# Altium PCB CT310高端控制盒基板电路V1.0.PcbDoc (part 1 of 8)
Units mil, origin at the board's own origin, x right, y up, seen from the top; angles counter-clockwise.
Board outline 8162.61 x 6196.81 mil, 2 copper layers (Top Layer, Bottom Layer), stack 65.792 mil thick; 265 components, 178 nets, 926 pads, 298 vias.
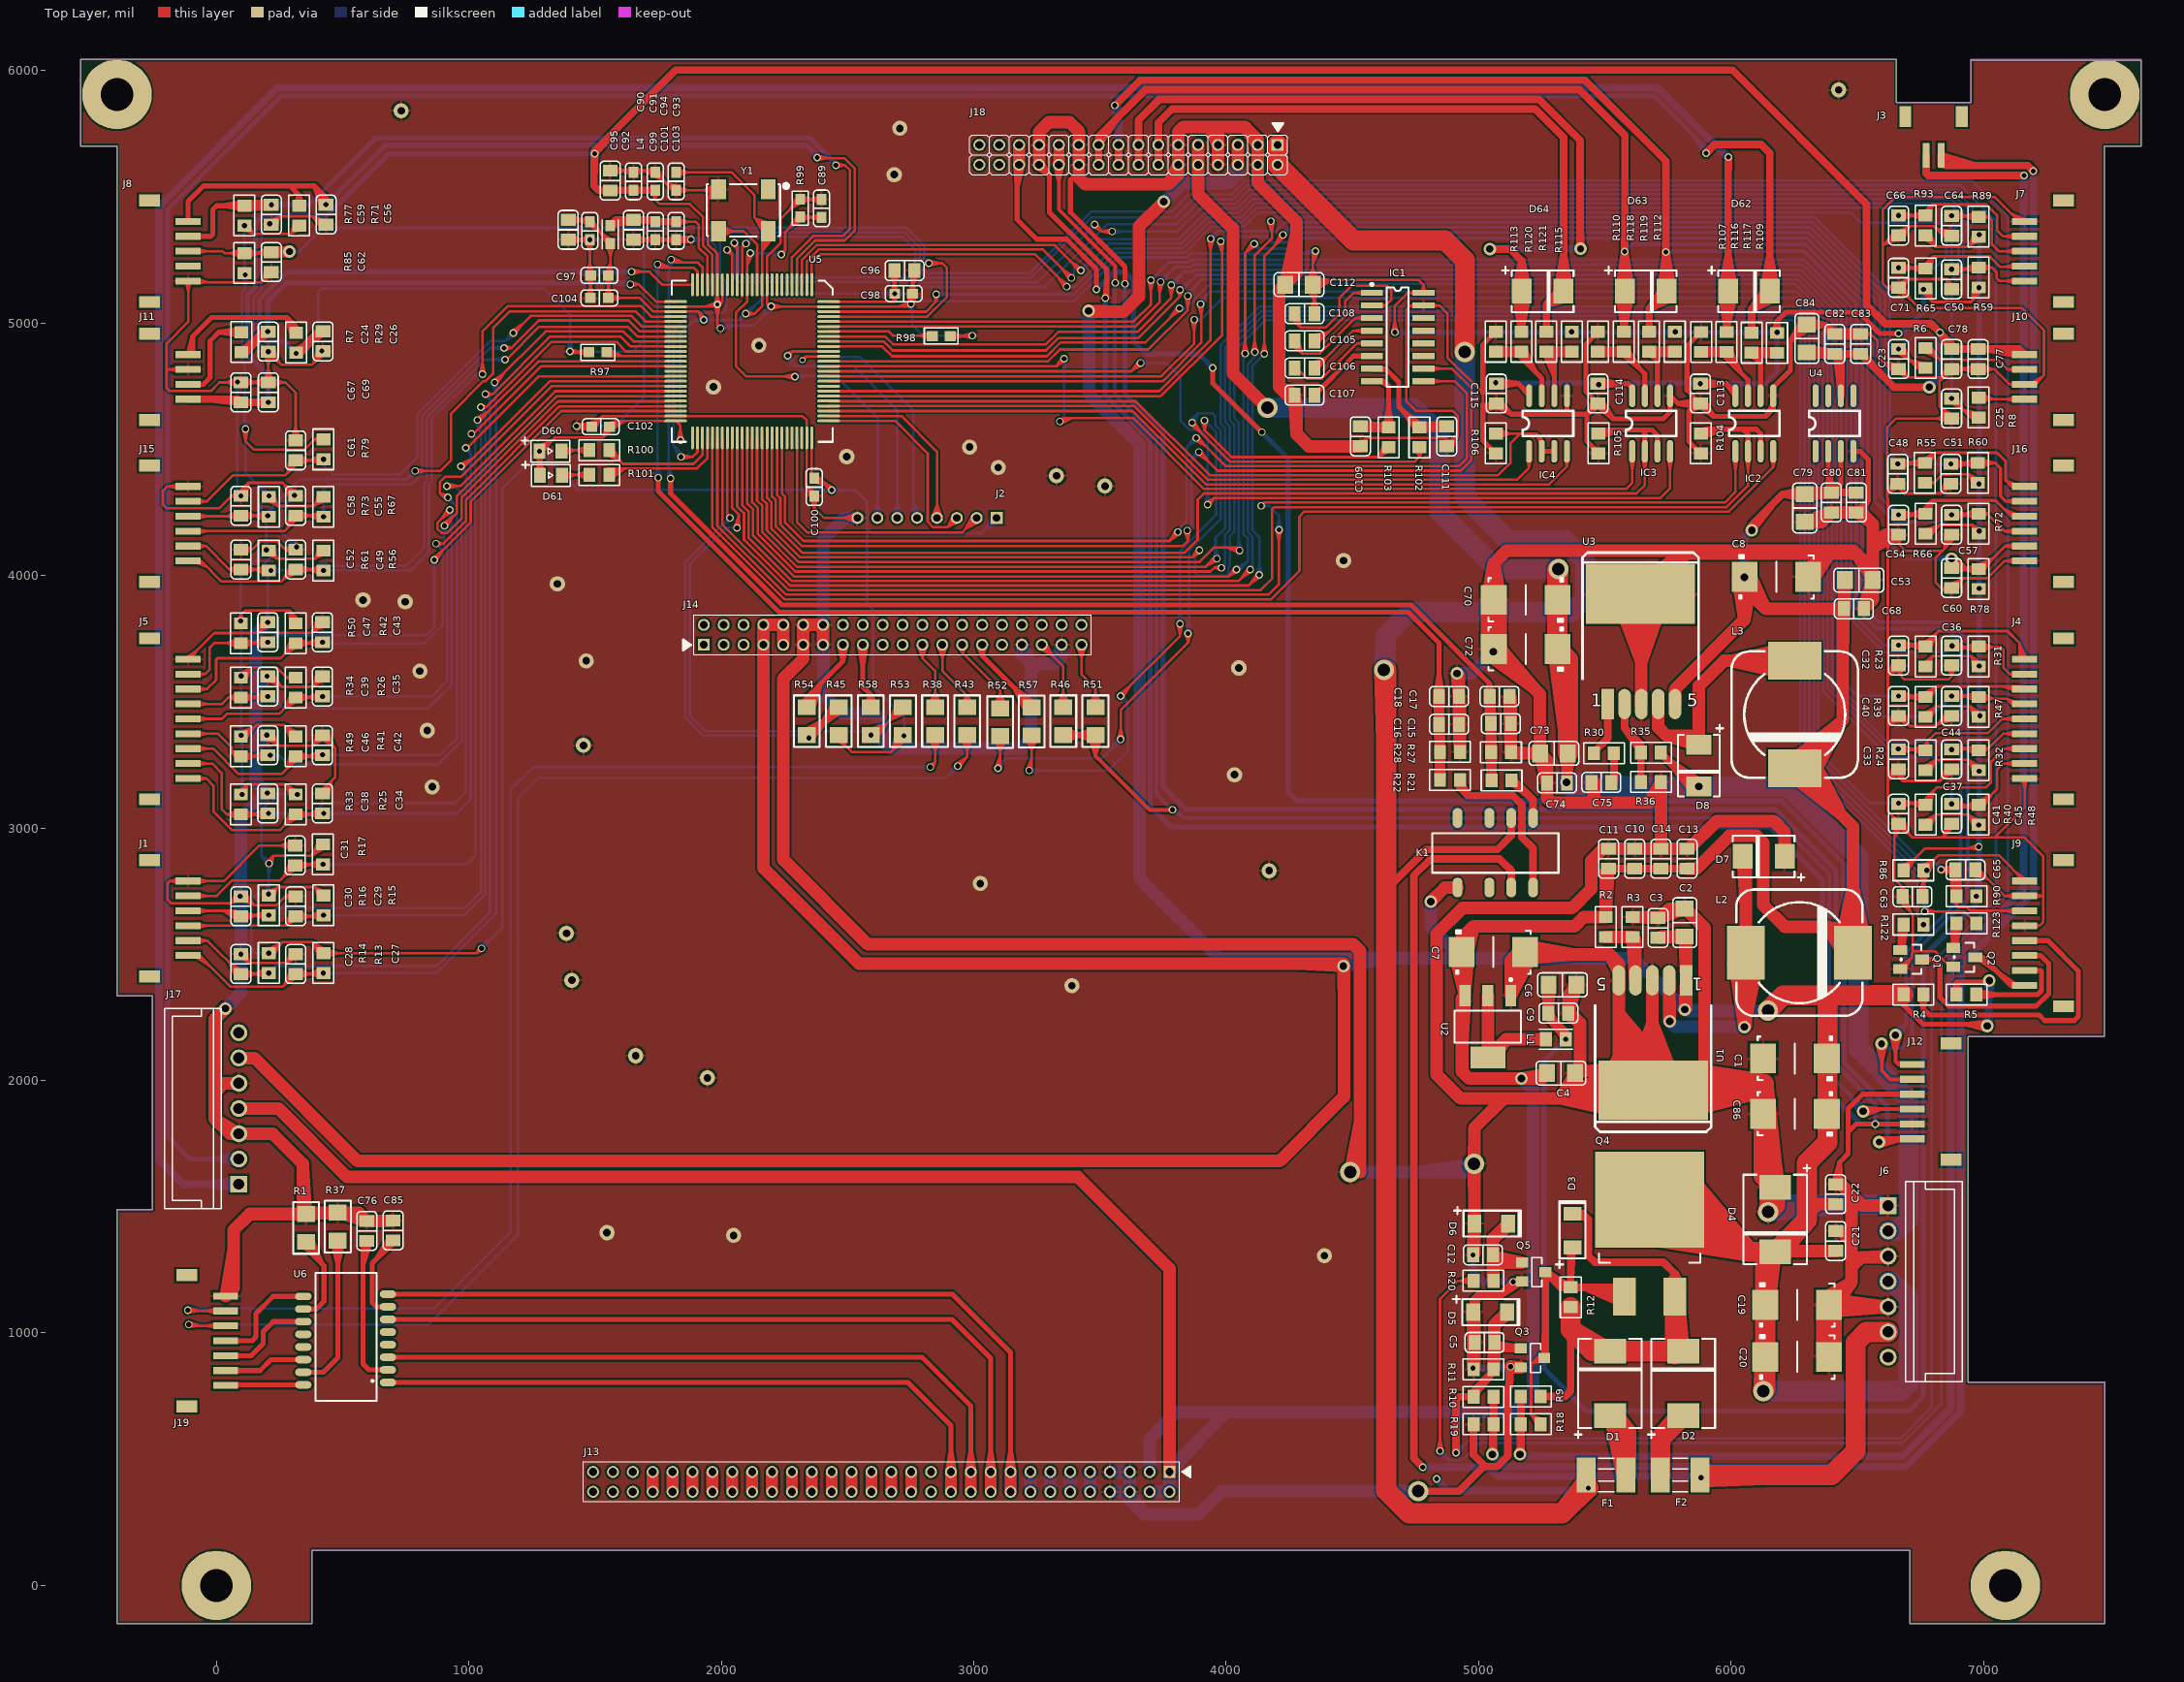
[diagram p0: Top Layer view]
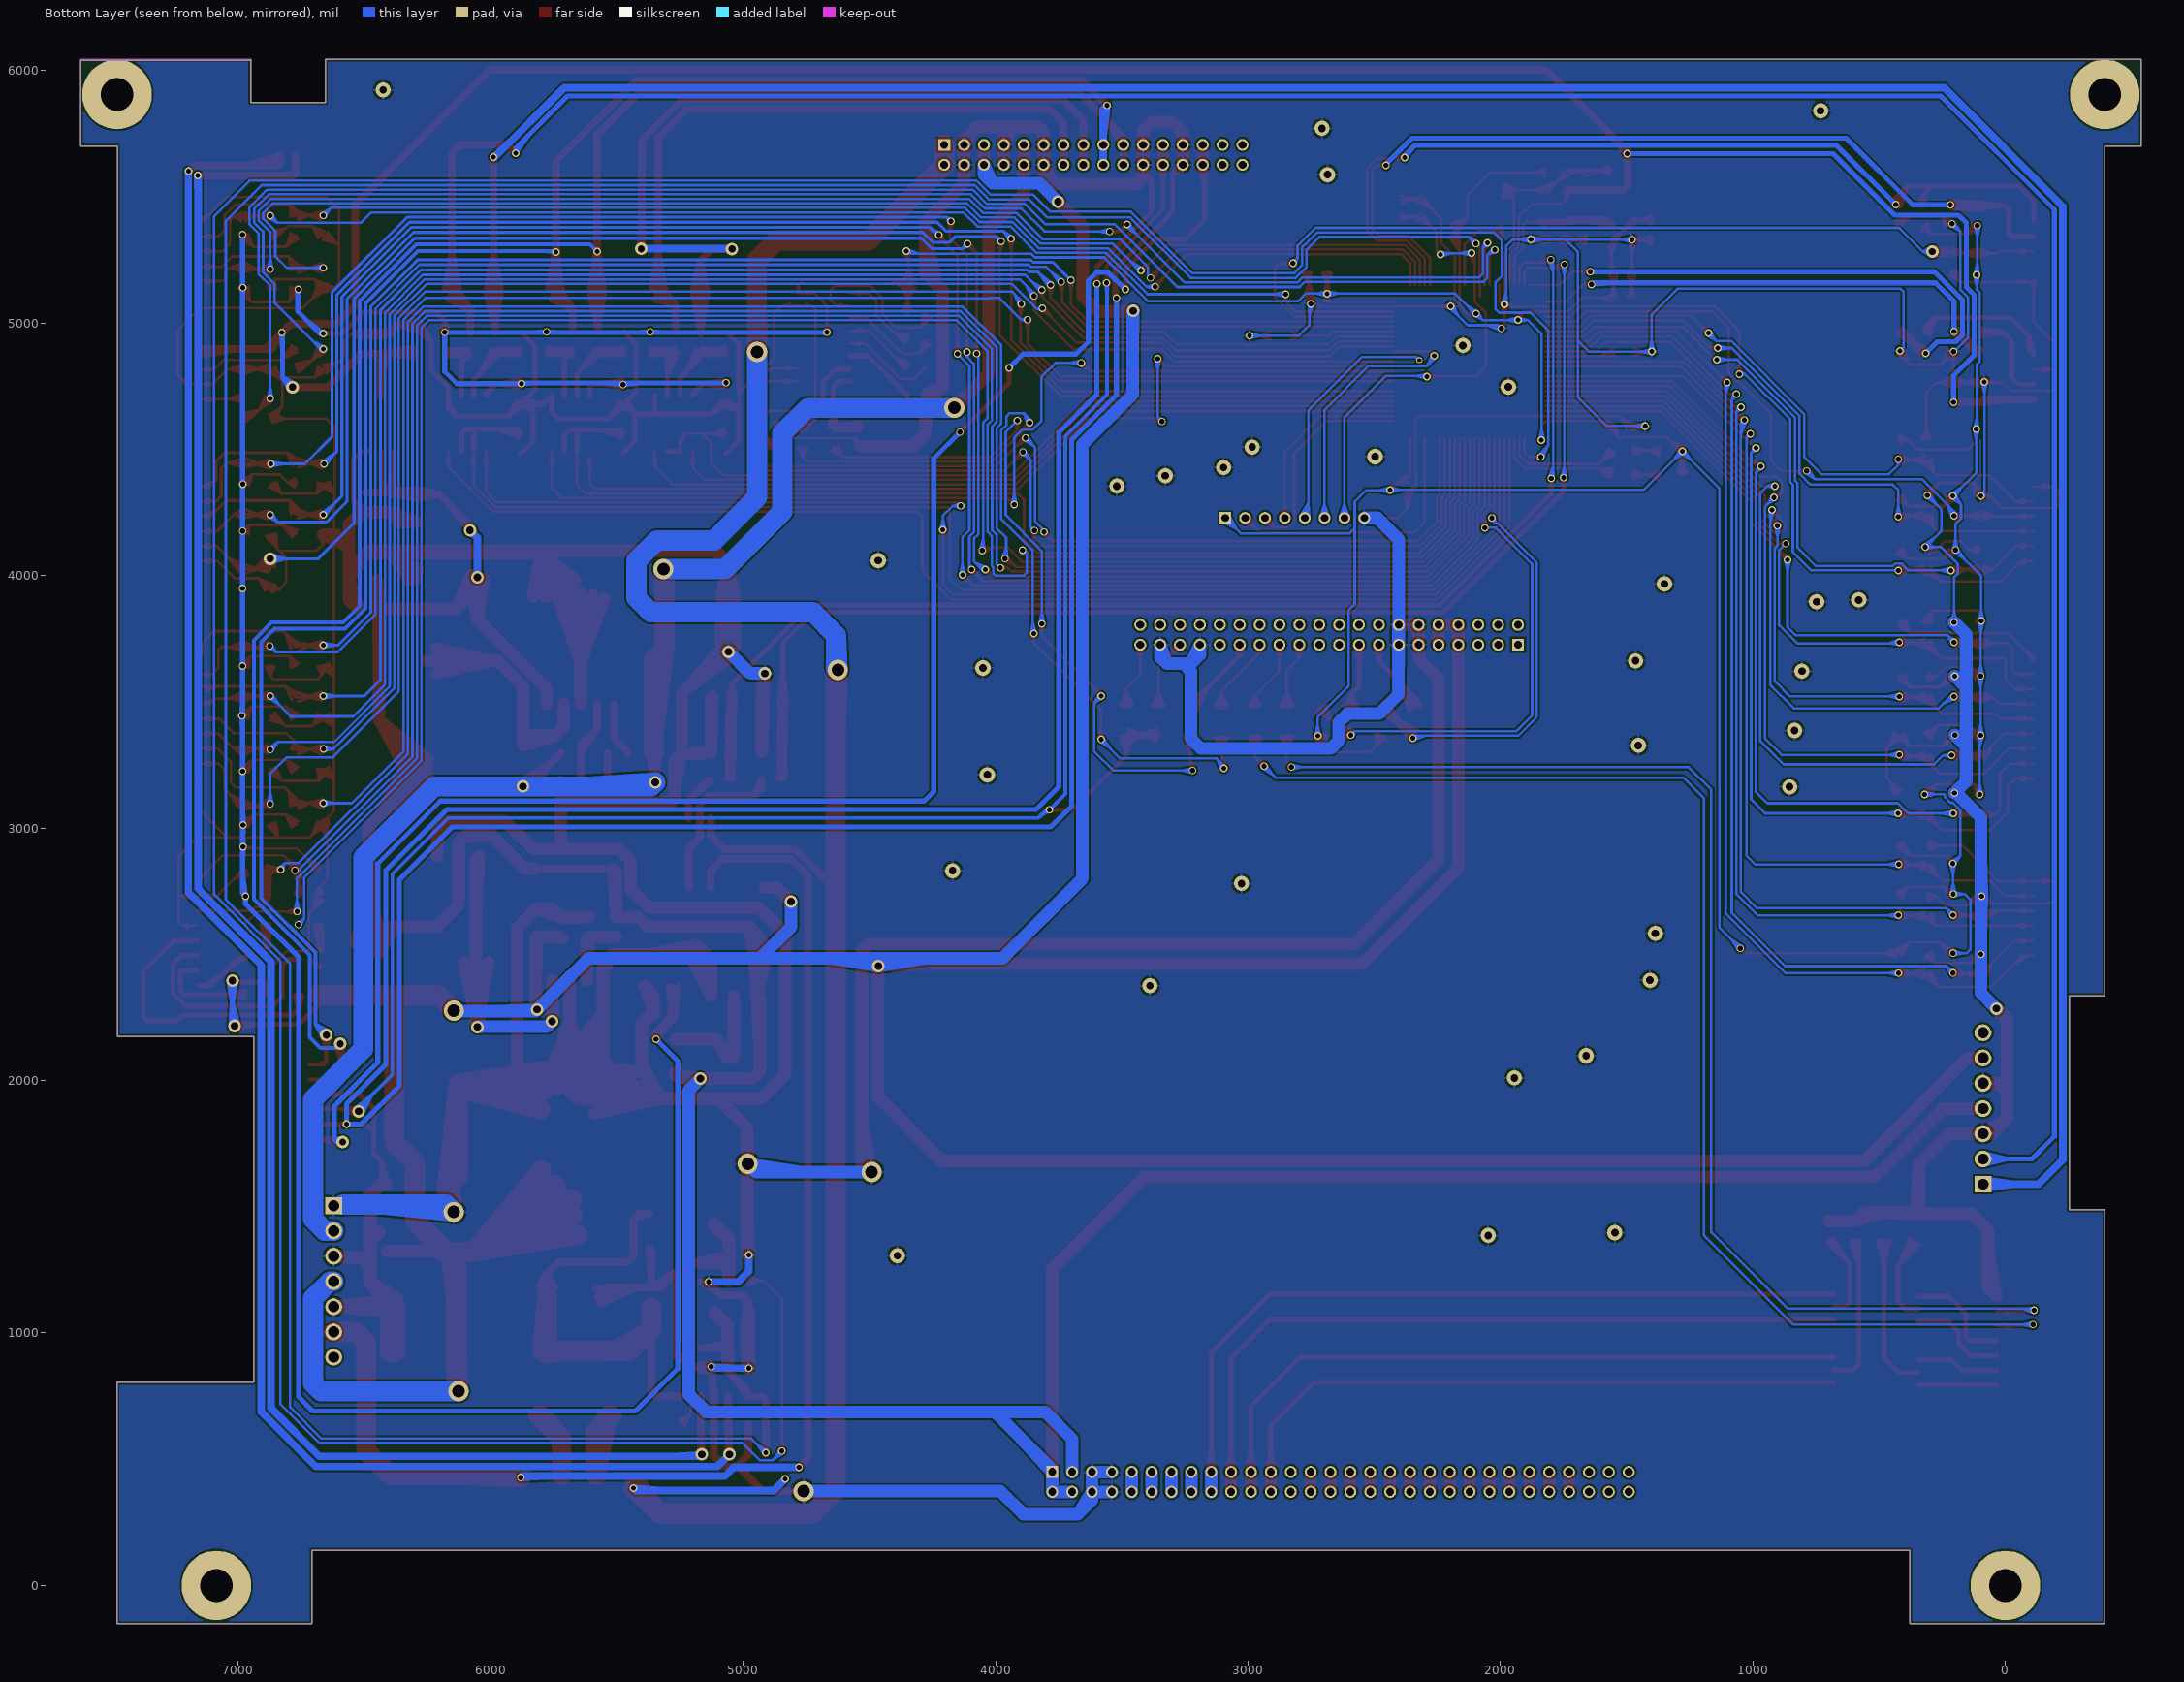
[diagram p1: Bottom Layer view, seen from below]
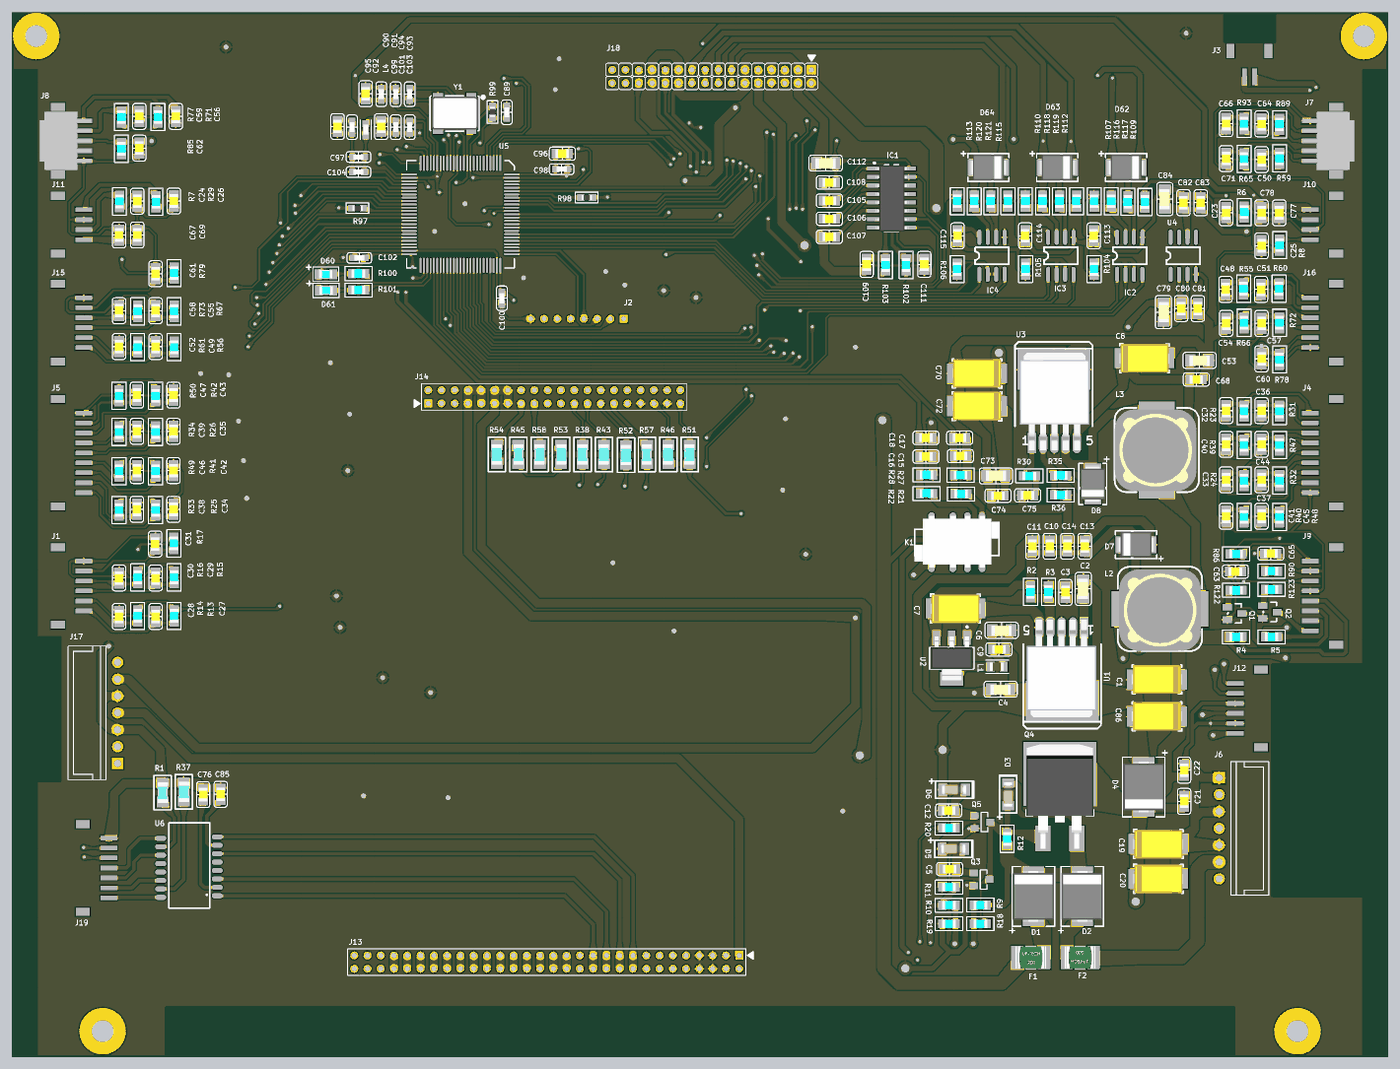
[diagram p9: 3D render of the assembled board from above, using the file's embedded part models]

## Layer stack, top to bottom
Top Layer: signal copper 1.4
Dielectric: core 62.9921, FR-4, Dk 4.8
Bottom Layer: signal copper 1.4

## Board outline
-538,5701 -393.7,5701 -393.7,2335 -253,2335 -253,1488 -392,1488 -393.7,1488 -393.7,-152 379,-152 379,139.3 6707.61,139.3 6707.61,137 6707.61,-152 7480.31,-152 7480.31,-147 7480.31,805 6939,805 6939,811 6939,2174 7479,2174 7479,5701 7624.61,5701 7624.61,6041 6951,6041 6951,6044.81 6951,5874 6655,5874 6655,6044.81 -538,6044.81 -538,5701

## Design rules (kind name [scope] priority, off if disabled: settings)
Clearance [All] p1: gap=8
PolygonConnect [All] p1: connectstyle=Relief reliefconductorwidth=10 reliefentries=4 polygonreliefangle="90 Angle" airgapwidth=10
RoutingVias [All] p1: holewidth=28 width=50 viastyle="Through Hole" minholewidth=16 minwidth=23 maxholewidth=50 maxwidth=100
SilkToSilkClearance [All] p1: silktosilkclearance=0
SilkToSolderMaskClearance SilkscreenOverComponentPads [IsPad] p1: minsilkscreentomaskgap=0 clearancetoexposedcopper=TRUE
SolderMaskExpansion [All] p1: expansion=4
Width [All] p1: maxlimit=100 minlimit=8 preferedwidth=10 minimp=50.000000 maximp=50.000000 favimp=50.000000
26 further rules are at their usual default settings.

## Classes and differential pairs
component class PowerManager: C5 C12 C15 C16 C17 C18 C19 C20 C21 C22 D1 D2 D3 D4 D5 D6 F1 F2 J3 K1 Q3 Q4 Q5 R9 R10 R11 R12 R18 R19 R20 R21 R22 R27 R28
component class JoyStickAdcInput: C23 C24 C25 C26 C67 C69 C77 C78 J10 J11 R6 R7 R8 R29
component class KeyInput_ABH: C27 C28 C29 C30 C31 C32 C33 C34 C35 C36 C37 C38 C39 C40 C41 C42 C43 C44 C45 C46 C47 J1 J4 J5 R13 R14 R15 R16 R17 R23 R24 R25 R26 R31 R32 R33 R34 R39 R40 R41 R42 R47 R48 R49 R50
component class KeyInput_IJMEF: C48 C49 C51 C52 C54 C55 C57 C58 C60 C61 J15 J16 R55 R56 R60 R61 R66 R67 R72 R73 R78 R79
component class KeyInput_MG: C50 C56 C59 C62 C63 C64 C65 C66 C71 J7 J8 J9 P6 Q1 Q2 R4 R5 R59 R65 R71 R77 R85 R86 R89 R90 R93 R122 R123
component class LeftInterface: C76 C85 J17 J19 R1 R37 U6
component class OmapSystem: J13 J14 P14 R38 R43 R45 R46 R51 R52 R53 R54 R57 R58
component class PowerConvert: C1 C2 C3 C4 C6 C7 C8 C9 C10 C11 C13 C14 C53 C68 C70 C72 C73 C74 C79 C80 C81 C82 C83 C84 C86 D7 D8 L1 L2 L3 R2 R3 R30 R35 R36 U1 U2 U3 U4
component class Processor: C89 C90 C91 C92 C93 C94 C95 C96 C97 C98 C99 C100 C101 C102 C103 C104 D60 D61 J2 L4 R97 R98 R99 R100 R101 U5 Y1
component class RightInterface: J6 J12
component class TTL_TO_RS232: C105 C106 C107 C108 C109 C111 C112 IC1 R102 R103
component class TTL_TO_RS485: C113 C114 C115 D62 D63 D64 IC2 IC3 IC4 R104 R105 R106 R107 R109 R110 R112 R113 R115 R116 R117 R118 R119 R120 R121
component class DataVideoPort: J18

## Components (designator, comment, footprint, x,y, rotation, side; value= is the part's Value field where it differs from the comment)
C1 "100uF/25V" CT7343-E-S 6253,2087 r180 top
C2 "2.2uF" C1206 5816.3,2625.3 r270 top
C3 "0.1uF" C0805 5710.3,2604.3 r270 top
C4 "22uF" C1206 5326,2029 r0 top
C5 "0.1uF" C0805 5023.3,962.3 r0 top
C6 "22uF" C1206 5332,2379 r0 top
C7 "100uF/25V" CT7343-E-S 5058,2509 r0 top
C8 "100uF/25V" CT7343-E-S 6179,3995 r0 top
C9 "0.1uF" C0805 5315.64,2266.3 r180 top
C10 "0.1uF" C0805 5617.96,2878.3 r270 top
C11 "0.1uF" C0805 5514.3,2878.3 r270 top
C12 "100pF" C0805 5017.3,1309.3 r0 top
C13 "100pF" C0805 5825.3,2878.3 r270 top
C14 "10uF" C0805 5721.63,2878.3 r270 top
C15 "10uF" C0805 5087.7,3413.3 r0 top
C16 "10uF" C0805 4882.7,3410.31 r0 top
C17 "0.1uF" C0805 5082.7,3521.3 r0 top
C18 "0.1uF" C0805 4882.7,3521.3 r0 top
C19 "100uF/25V" CT7343-E-S 6261.3,1111.3 r0 top
C20 "100uF/25V" CT7343-E-S 6261.3,905 r0 top
C21 "0.1uF" C0805 6414.3,1364.3 r270 top
C22 "10uF" C0805 6414.3,1549.3 r270 top
C23 "100pF" C0805 6663.3,4857.36 r270 top
C24 "100pF" C0805 205.65,4926.3 r270 top
C25 "100pF" C0805 6873.32,4661.36 r270 top
C26 "100pF" C0805 422.3,4927.3 r270 top
C27 "100pF" C0805 313.97,2461.05 r90 top
C28 "100pF" C0805 97.33,2461.05 r90 top
C29 "100pF" C0805 313.97,2689.55 r90 top
C30 "100pF" C0805 97.33,2689.55 r90 top
C31 "100pF" C0805 311.97,2891.3 r90 top
C32 "100pF" C0805 6663.3,3683.23 r270 top
C33 "100pF" C0805 6663.3,3272.23 r270 top
C34 "100pF" C0805 420.3,3097.23 r90 top
C35 "100pF" C0805 420.3,3560.3 r90 top
C36 "100pF" C0805 6873.32,3683.23 r270 top
C37 "100pF" C0805 6873.32,3272.23 r270 top
C38 "100pF" C0805 203.65,3097.23 r90 top
C39 "100pF" C0805 203.65,3560.3 r90 top
C40 "100pF" C0805 6663.3,3483.23 r270 top
C41 "100pF" C0805 6663.3,3056.23 r270 top
C42 "100pF" C0805 420.3,3327.23 r90 top
C43 "100pF" C0805 420.3,3775.3 r90 top
C44 "100pF" C0805 6873.32,3483.23 r270 top
C45 "100pF" C0805 6873.32,3056.23 r270 top
C46 "100pF" C0805 203.65,3327.23 r90 top
C47 "100pF" C0805 203.65,3775.3 r90 top
C48 "100pF" C0805 6660.3,4402.73 r270 top
C49 "100pF" C0805 313.97,4063.23 r90 top
C50 "100pF" C0805 6873.32,5173.3 r270 top
C51 "100pF" C0805 6870.32,4402.73 r270 top
C52 "100pF" C0805 97.33,4063.23 r90 top
C53 "22uF" C1206 6505.9,3981.42 r0 top
C54 "100pF" C0805 6663.3,4200.86 r270 top
C55 "100pF" C0805 313.97,4276.23 r90 top
C56 "100pF" C0805 434.3,5429.3 r270 top
C57 "100pF" C0805 6873.32,4200.86 r270 top
C58 "100pF" C0805 97.33,4276.23 r90 top
C59 "100pF" C0805 217.65,5429.3 r270 top
C60 "100pF" C0805 6873.32,3990.23 r270 top
C61 "100pF" C0805 313.97,4495.73 r90 top
C62 "100pF" C0805 217.65,5241.3 r270 top
C63 "100pF" C0805 6718.36,2728.3 r180 top
C64 "100pF" C0805 6873.32,5385.3 r270 top
C65 "100pF" C0805 6928.36,2834.3 r0 top
C66 "100pF" C0805 6663.3,5386.3 r270 top
C67 "100pF" C0805 97.33,4725.3 r90 top
C68 "0.1uF" C0805 6486.3,3868.3 r180 top
C69 "1uF" C0805 205.65,4725.3 r90 top
C70 "100uF/25V" CT7343-E-S 5186,3903.3 r180 top
C71 "100pF" C0805 6663.3,5179.3 r270 top
C72 "100uF/25V" CT7343-E-S 5186,3709 r180 top
C73 "22uF" C1206 5298.3,3295.3 r180 top
C74 "0.1uF" C0805 5310.3,3178.3 r0 top
C75 "0.1uF" C0805 5486,3180.33 r0 top
C76 "0.01uF" C0805 596,1404 r90 top
C77 "100pF" C0805 6978.33,4857.36 r270 top
C78 "1uF" C0805 6873.32,4857.36 r270 top
C79 "22uF" C1206 6291.7,4267.3 r90 top
C80 "0.1uF" C0805 6396.7,4288.95 r90 top
C81 "100pF" C0805 6495.7,4288.95 r90 top
C82 "100pF" C0805 6410.7,4917.08 r270 top
C83 "0.1uF" C0805 6512.7,4917.08 r270 top
C84 "22uF" C1206 6300,4938.73 r270 top
C85 "0.01uF" C0805 700,1406 r90 top
C86 "100uF/25V" CT7343-E-S 6253,1868 r180 top
C89 "0.1uF" C0603 2397,5454 r90 top
C90 "10uF" C0805 1560,5564 r90 top
C91 "0.1uF" C0603 1652.36,5561.29 r90 top
C92 "0.1uF" C0603 1479.29,5365.36 r90 top
C93 "0.1uF" C0603 1821.3,5561.3 r90 top
C94 "100pF" C0603 1738.3,5561.29 r90 top
C95 "10uF" C0805 1393.29,5369.29 r90 top
C96 "10uF" C0805 2726,5208 r0 top
C97 "0.1uF" C0603 1517.3,5188.3 r180 top
C98 "0.1uF" C0603 2722.2,5116.3 r0 top
C99 "10uF" C0805 1652.36,5369.29 r90 top
C100 "0.1uF" C0603 2368,4350 r270 top
C101 "0.1uF" C0603 1738.29,5365.36 r90 top
C102 "0.1uF" C0603 1522.2,4589.3 r180 top
C103 "100pF" C0603 1821.29,5365.36 r90 top
C104 "0.1uF" C0603 1517.2,5099.3 r180 top
C105 "0.1uF" C0805 4309.95,4929.36 r0 top
C106 "0.1uF" C0805 4309.95,4821.83 r0 top
C107 "15pF" C0805 4309.95,4714.3 r180 top
C108 "0.1uF" C0805 4309.95,5036.89 r180 top
C109 "15pF" C0805 4531.3,4551.23 r270 top
C111 "15pF" C0805 4873.3,4551.23 r270 top
C112 "10uF" C1206 4288.3,5152.3 r0 top
C113 "0.1uF" C0805 5878.41,4720.58 r90 top
C114 "0.1uF" C0805 5472.23,4720.58 r90 top
C115 "0.1uF" C0805 5069.98,4720.58 r90 top
D1 "MBRS410LT3" SMC 5520.3,800.3 r90 top
D2 "MBRS410LT3" SMC 5810.3,800.3 r90 top
D3 "ZMM16" SOD-80 5371.3,1405.3 r90 top
D4 "1.5SMC15A" SMC 6174.3,1449.3 r270 top
D5 "ZMM1" SOD-80 5045.3,1082.3 r0 top
D6 "ZMM1" SOD-80 5050.3,1433.3 r0 top
D7 "SK58" SMB 6129.3,2887.3 r180 top
D8 "SK58" SMB 5872.3,3247.3 r270 top
D60 "LED-G" LED0805 1323.3,4492.3 r0 top
D61 "LED-G" LED0805 1325.26,4396.69 r0 top
D62 "1.5SMC6.8CA" SMB 6070.68,5126.02 r0 top
D63 "1.5SMC6.8CA" SMB 5662.18,5126.02 r0 top
D64 "1.5SMC6.8CA" SMB 5253.68,5126.02 r0 top
F1 "2A" F1812 5505.3,437.3 r0 top
F2 "2A" F1812 5798.3,437.3 r180 top
IC1 "SP3232EEN" SO16-150 4679.3,4944.3 r270 top
IC2 "SP3078EEN-L/TR" SO-8 6017.02,4492.02 r90 top
IC3 "SP3078EEN-L/TR" SO-8 5608.52,4492.02 r90 top
IC4 "SP3078EEN-L/TR" SO-8 5200.02,4492.02 r90 top
J1 "ZH1X6WT-1.5" ZH1X6WT-1.5 -188.7,2642.35 r90 top
J2 "HD1X8-2.00" SHD1X8-2.00 2815,4228 r180 top